# KiCad board temp sensor_panel.kicad_pcb (continued)
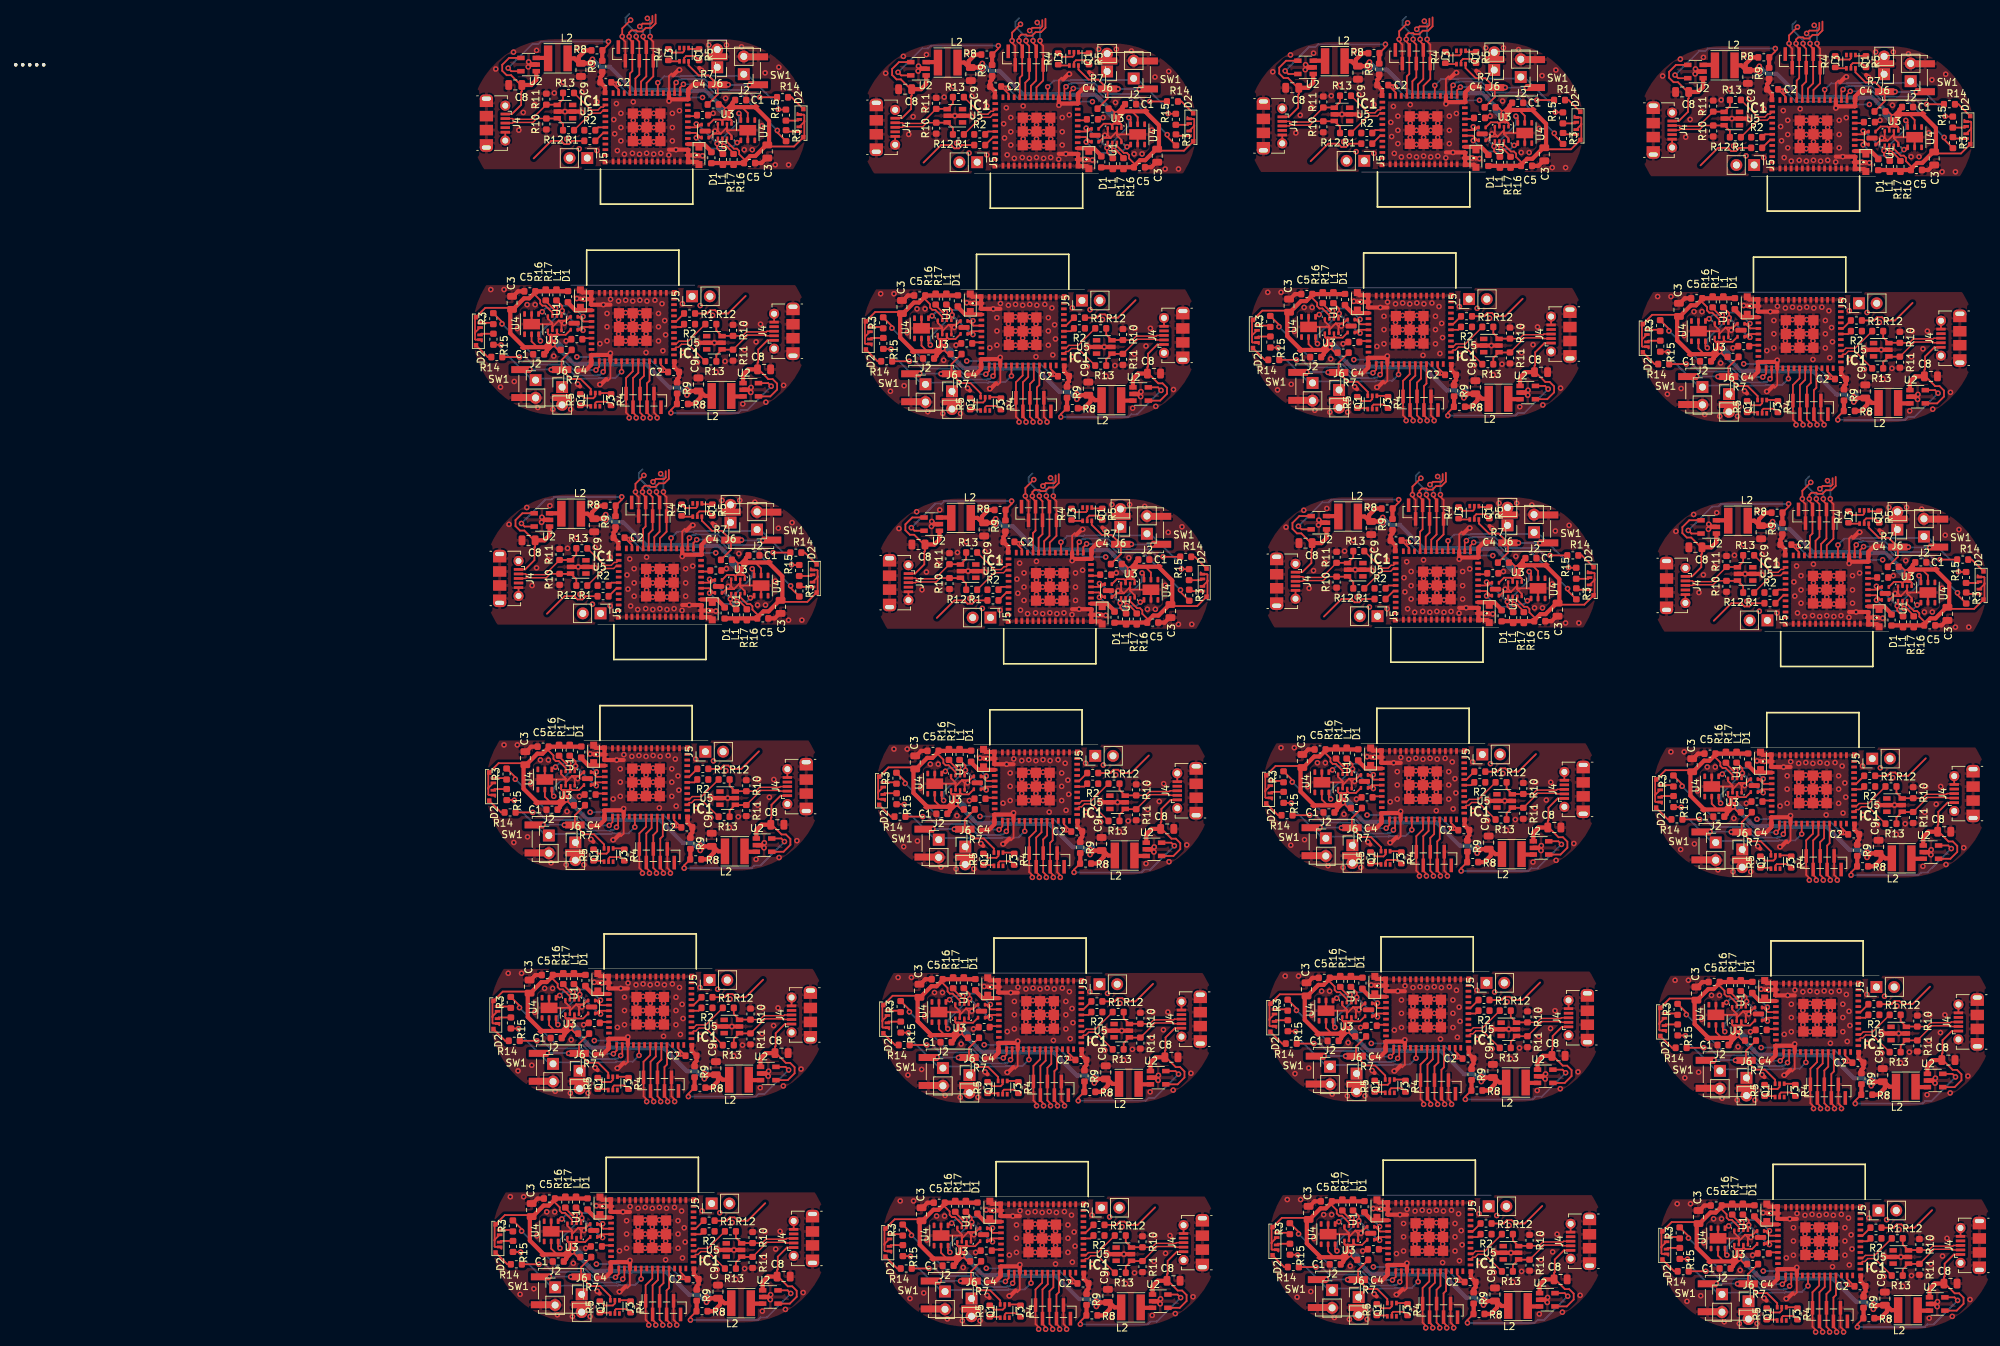
[diagram p0: board, top side]
## Routing (per net, layer and track width the routed paths; a pad name or vN(x,y) marks a point on that pad's centre or on a via; arc(x,y) is an arc through that point) (continued)
  Bottom w0.25: v1(-4.32,122.91) -4.32,124.11 v1(-1.2,127.23) 1.61,124.42 v1(1.78,124.42) ; v1(17.99,153.97) 18.15,153.97 v1(20.96,151.16) 24.08,154.28 v1(24.08,155.48) ; v1(57.58,123.82) 57.41,123.82 v1(54.6,126.63) 51.48,123.51 v1(51.48,122.31) ; v1(79.88,154.88) 79.88,153.68 v1(76.76,150.56) 73.95,153.37 v1(73.79,153.37) ; v1(112.98,124.02) 112.81,124.02 v1(110,126.83) 106.88,123.71 v1(106.88,122.51) ; v1(135.28,155.08) 135.28,153.88 v1(132.16,150.76) 129.35,153.57 v1(129.19,153.57) ; v1(162.68,121.91) 162.68,123.11 v1(165.8,126.23) 168.61,123.42 v1(168.78,123.42) ; v1(184.99,152.97) 185.15,152.97 v1(187.96,150.16) 191.08,153.28 v1(191.08,154.48) ; v1(3.68,59.22) 3.51,59.22 v1(0.7,62.03) -2.42,58.91 v1(-2.42,57.71) ; v1(25.98,90.28) 25.98,89.08 v1(22.86,85.96) 20.05,88.77 v1(19.89,88.77) ; v1(53.38,57.11) 53.38,58.31 v1(56.5,61.43) 59.31,58.62 v1(59.48,58.62) ; v1(75.69,88.17) 75.85,88.17 v1(78.66,85.36) 81.78,88.48 v1(81.78,89.68) ; v1(114.88,58.82) 114.71,58.82 v1(111.9,61.63) 108.78,58.51 v1(108.78,57.31) ; v1(131.09,88.37) 131.25,88.37 v1(134.06,85.56) 137.18,88.68 v1(137.18,89.88) ; v1(170.68,58.22) 170.51,58.22 v1(167.7,61.03) 164.58,57.91 v1(164.58,56.71) ; v1(186.89,87.77) 187.05,87.77 v1(189.86,84.96) 192.98,88.08 v1(192.98,89.28) ; v1(-1.82,25.01) -1.82,26.21 v1(1.3,29.33) 4.11,26.52 v1(4.28,26.52) ; v1(53.98,24.41) 53.98,25.61 v1(57.1,28.73) 59.91,25.92 v1(60.08,25.92) ; v1(115.48,26.12) 115.31,26.12 v1(112.5,28.93) 109.38,25.81 v1(109.38,24.61) ; v1(171.28,25.52) 171.11,25.52 v1(168.3,28.33) 165.18,25.21 v1(165.18,24.01) ; v1(171.58,-6.48) 171.41,-6.48 v1(168.6,-3.67) 165.48,-6.79 v1(165.48,-7.99) ; v1(109.68,-7.39) 109.68,-6.19 v1(112.8,-3.07) 115.61,-5.88 v1(115.78,-5.88) ; v1(-1.52,-6.99) -1.52,-5.79 v1(1.6,-2.67) 4.41,-5.48 v1(4.58,-5.48) ; v1(60.38,-6.08) 60.21,-6.08 v1(57.4,-3.27) 54.28,-6.39 v1(54.28,-7.59)
/IO7_pico: length 135.7
  Top w0.2: IC1.27 15.13,122.5 15.5,122.87 16.84,122.87 R12.2 ; IC1#2.27 4.63,155.89 4.26,155.52 2.93,155.52 R12#2.2 ; IC1#4.27 70.93,121.9 71.3,122.27 72.64,122.27 R12#4.2 ; R12#3.2 58.73,154.92 60.06,154.92 60.43,155.29 IC1#3.27 ; IC1#6.27 126.33,122.1 126.7,122.47 128.04,122.47 R12#6.2 ; R12#5.2 114.13,155.12 115.46,155.12 115.83,155.49 IC1#5.27 ; IC1#8.27 182.13,121.5 182.5,121.87 183.84,121.87 R12#8.2 ; R12#7.2 169.93,154.52 171.26,154.52 171.63,154.89 IC1#7.27 ; IC1#10.27 17.03,57.3 17.4,57.67 18.74,57.67 R12#10.2 ; R12#9.2 4.83,90.32 6.16,90.32 6.53,90.69 IC1#9.27 ; IC1#13.27 72.83,56.7 73.2,57.07 74.54,57.07 R12#13.2 ; R12#12.2 60.63,89.72 61.96,89.72 62.33,90.09 IC1#12.27 ; IC1#15.27 128.23,56.9 128.6,57.27 129.94,57.27 R12#15.2 ; R12#14.2 116.03,89.92 117.36,89.92 117.73,90.29 IC1#14.27 ; IC1#11.27 184.03,56.3 184.4,56.67 185.74,56.67 R12#11.2 ; R12#16.2 171.83,89.32 173.16,89.32 173.53,89.69 IC1#16.27 ; IC1#18.27 17.63,24.6 18,24.97 19.34,24.97 R12#18.2 ; R12#20.2 75.14,24.37 73.8,24.37 73.43,24 IC1#20.27 ; IC1#17.27 128.83,24.2 129.2,24.57 130.54,24.57 R12#17.2 ; IC1#19.27 184.63,23.6 185,23.97 186.34,23.97 R12#19.2 ; R12#22.2 130.84,-7.43 129.5,-7.43 129.13,-7.8 IC1#23.27 ; IC1#21.27 17.93,-7.4 18.3,-7.03 19.64,-7.03 R12#23.2 ; R12#24.2 75.44,-7.63 74.1,-7.63 73.73,-8 IC1#24.27 ; R12#21.2 186.64,-8.03 185.3,-8.03 184.93,-8.4 IC1#22.27
/IO12_pico: length 236
  Top w0.25: 9.38,112.2 8.93,112.65 J3.2 8.93,117.6 9.69,118.35 IC1.19 ; 10.38,166.19 10.83,165.74 10.83,160.8 10.07,160.04 IC1#2.19 ; 65.18,111.6 64.73,112.05 J3#4.2 64.73,117 65.49,117.75 IC1#4.19 ; IC1#3.19 65.87,159.44 66.63,160.2 J3#3.2 66.63,165.14 66.18,165.59 ; v1(65.69,167.34) 66.09,167.74 67.3,167.74 67.51,167.95 67.51,168.84 ; 120.58,111.8 120.13,112.25 J3#6.2 120.13,117.2 120.89,117.95 IC1#6.19 ; IC1#5.19 121.27,159.64 122.03,160.4 J3#5.2 122.03,165.34 121.58,165.79 ; 176.38,111.2 175.93,111.65 J3#8.2 175.93,116.6 176.69,117.35 IC1#8.19 ; IC1#7.19 177.07,159.04 177.83,159.8 177.83,164.74 177.38,165.19 ; v1(176.89,166.94) 177.29,167.34 178.5,167.34 178.71,167.55 178.71,168.44 ; v1(121.09,167.54) 121.49,167.94 122.7,167.94 122.91,168.15 122.91,169.04 ; 11.28,47 10.83,47.45 J3#10.2 10.83,52.4 11.59,53.15 IC1#10.19 ; IC1#9.19 11.97,94.84 12.73,95.6 J3#9.2 12.73,100.54 12.28,100.99 ; 67.08,46.4 66.63,46.85 J3#13.2 66.63,51.8 67.39,52.55 IC1#13.19 ; IC1#12.19 67.77,94.24 68.53,95 J3#12.2 68.53,99.94 68.08,100.39 ; v1(67.59,102.14) 67.99,102.54 69.2,102.54 69.41,102.75 69.41,103.64 ; 122.48,46.6 122.03,47.05 J3#15.2 122.03,52 122.79,52.75 IC1#15.19 ; IC1#14.19 123.17,94.44 123.93,95.2 J3#14.2 123.93,100.14 123.48,100.59 ; 178.28,46 177.83,46.45 J3#11.2 177.83,51.4 178.59,52.15 IC1#11.19 ; IC1#16.19 178.97,93.84 179.73,94.6 J3#16.2 179.73,99.54 179.28,99.99 ; v1(11.79,102.74) 12.19,103.14 13.4,103.14 13.61,103.35 13.61,104.24 ; v1(122.99,102.34) 123.39,102.74 124.6,102.74 124.81,102.95 124.81,103.84 ; v1(178.79,101.74) 179.19,102.14 180.4,102.14 180.61,102.35 180.61,103.24 ; 11.88,14.3 11.43,14.75 J3#18.2 11.43,19.7 12.19,20.45 IC1#18.19 ; IC1#20.19 67.99,19.85 67.23,19.1 J3#20.2 67.23,14.15 67.68,13.7 ; 123.08,13.9 122.63,14.35 J3#17.2 122.63,19.3 123.39,20.05 IC1#17.19 ; 178.88,13.3 178.43,13.75 J3#19.2 178.43,18.7 179.19,19.45 IC1#19.19 ; IC1#23.19 123.69,-11.95 122.93,-12.7 J3#22.2 122.93,-17.65 123.38,-18.1 ; 12.18,-17.7 11.73,-17.25 J3#21.2 11.73,-12.3 12.49,-11.55 IC1#21.19 ; IC1#24.19 68.29,-12.15 67.53,-12.9 J3#23.2 67.53,-17.85 67.98,-18.3 ; IC1#22.19 179.49,-12.55 178.73,-13.3 J3#24.2 178.73,-18.25 179.18,-18.7 ; v1(9.89,167.94) 10.29,168.34 11.5,168.34 11.71,168.55 11.71,169.44
  Bottom w0.25: v1(66.18,165.9) 66.18,166.85 v1(65.69,167.34) ; v1(177.38,165.5) 177.38,166.45 v1(176.89,166.94) ; v1(121.58,166.1) 121.58,167.05 v1(121.09,167.54) ; v1(68.08,100.7) 68.08,101.65 v1(67.59,102.14) ; v1(179.28,100.3) 179.28,101.25 v1(178.79,101.74) ; v1(123.48,100.9) 123.48,101.85 v1(122.99,102.34) ; v1(12.28,101.3) 12.28,102.25 v1(11.79,102.74) ; v1(9.89,167.94) 10.38,167.45 v1(10.38,166.5)
  vias: v1(9.38,111.9) v1(11.28,46.7) v1(11.88,14) v1(12.18,-18) v1(65.18,111.3) v1(67.08,46.1) v1(67.68,13.4) v1(67.98,-18.6) v1(120.58,111.5) v1(122.48,46.3) v1(123.08,13.6) v1(123.38,-18.4) v1(176.38,110.9) v1(178.28,45.7) v1(178.88,13) v1(179.18,-19)
/IO13_pico: length 229.7
  Top w0.25: 10.38,112.2 9.93,112.65 J3.3 9.93,117.35 10.49,117.9 IC1.20 ; 9.38,166.19 9.83,165.74 J3#2.3 9.83,161.05 9.27,160.49 IC1#2.20 ; 66.18,111.6 65.73,112.05 J3#4.3 65.73,116.75 66.29,117.3 IC1#4.20 ; IC1#3.20 65.07,159.89 65.63,160.45 65.63,165.14 65.18,165.59 ; 121.58,111.8 121.13,112.25 J3#6.3 121.13,116.95 121.69,117.5 IC1#6.20 ; IC1#5.20 120.47,160.09 121.03,160.65 121.03,165.34 120.58,165.79 ; 177.38,111.2 176.93,111.65 J3#8.3 176.93,116.35 177.49,116.9 IC1#8.20 ; IC1#7.20 176.27,159.49 176.83,160.05 J3#7.3 176.83,164.74 176.38,165.19 ; 12.28,47 11.83,47.45 J3#10.3 11.83,52.15 12.39,52.7 IC1#10.20 ; IC1#9.20 11.17,95.29 11.73,95.85 J3#9.3 11.73,100.54 11.28,100.99 ; 68.08,46.4 67.63,46.85 J3#13.3 67.63,51.55 68.19,52.1 IC1#13.20 ; IC1#12.20 66.97,94.69 67.53,95.25 J3#12.3 67.53,99.94 67.08,100.39 ; 123.48,46.6 123.03,47.05 J3#15.3 123.03,51.75 123.59,52.3 IC1#15.20 ; IC1#14.20 122.37,94.89 122.93,95.45 J3#14.3 122.93,100.14 122.48,100.59 ; 179.28,46 178.83,46.45 J3#11.3 178.83,51.15 179.39,51.7 IC1#11.20 ; IC1#16.20 178.17,94.29 178.73,94.85 J3#16.3 178.73,99.54 178.28,99.99 ; 12.88,14.3 12.43,14.75 J3#18.3 12.43,19.45 12.99,20 IC1#18.20 ; IC1#20.20 68.79,19.4 68.23,18.85 J3#20.3 68.23,14.15 68.68,13.7 ; 124.08,13.9 123.63,14.35 J3#17.3 123.63,19.05 124.19,19.6 IC1#17.20 ; 179.88,13.3 179.43,13.75 J3#19.3 179.43,18.45 179.99,19 IC1#19.20 ; IC1#23.20 124.49,-12.4 123.93,-12.95 J3#22.3 123.93,-17.65 124.38,-18.1 ; 13.18,-17.7 12.73,-17.25 J3#21.3 12.73,-12.55 13.29,-12 IC1#21.20 ; IC1#24.20 69.09,-12.6 68.53,-13.15 J3#23.3 68.53,-17.85 68.98,-18.3 ; IC1#22.20 180.29,-13 179.73,-13.55 J3#24.3 179.73,-18.25 180.18,-18.7
  Bottom w0.25: v1(65.18,165.9) 65.18,166.38 63.66,167.9 63.66,168.6 64.18,169.12 ; 175.38,168.72 174.86,168.2 174.86,167.5 176.38,165.98 v1(176.38,165.5) ; v1(120.58,166.1) 120.58,166.58 119.06,168.1 119.06,168.8 119.58,169.32 ; 66.08,103.92 65.56,103.4 65.56,102.7 67.08,101.18 v1(67.08,100.7) ; 177.28,103.52 176.76,103 176.76,102.3 178.28,100.78 v1(178.28,100.3) ; 121.48,104.12 120.96,103.6 120.96,102.9 122.48,101.38 v1(122.48,100.9) ; v1(11.28,101.3) 11.28,101.78 9.76,103.3 9.76,104 10.28,104.52 ; 8.38,169.72 7.86,169.2 7.86,168.5 9.38,166.98 v1(9.38,166.5)
  vias: v1(10.38,111.9) v1(12.28,46.7) v1(12.88,14) v1(13.18,-18) v1(66.18,111.3) v1(68.08,46.1) v1(68.68,13.4) v1(68.98,-18.6) v1(121.58,111.5) v1(123.48,46.3) v1(124.08,13.6) v1(124.38,-18.4) v1(177.38,110.9) v1(179.28,45.7) v1(179.88,13) v1(180.18,-19)
/IO14_pico: length 223.2
  Top w0.25: 8.38,112.2 7.93,112.65 J3.1 7.93,117.6 8.89,118.55 IC1.18 ; 11.38,166.19 11.83,165.74 J3#2.1 11.83,160.8 10.87,159.84 IC1#2.18 ; 64.18,111.6 63.73,112.05 J3#4.1 63.73,117 64.69,117.95 IC1#4.18 ; IC1#3.18 66.67,159.24 67.63,160.2 67.63,165.14 67.18,165.59 ; 119.58,111.8 119.13,112.25 J3#6.1 119.13,117.2 120.09,118.15 IC1#6.18 ; IC1#5.18 122.07,159.44 123.03,160.4 123.03,165.34 122.58,165.79 ; 175.38,111.2 174.93,111.65 J3#8.1 174.93,116.6 175.89,117.55 IC1#8.18 ; IC1#7.18 177.87,158.84 178.83,159.8 J3#7.1 178.83,164.74 178.38,165.19 ; 10.28,47 9.83,47.45 J3#10.1 9.83,52.4 10.79,53.35 IC1#10.18 ; IC1#9.18 12.77,94.64 13.73,95.6 J3#9.1 13.73,100.54 13.28,100.99 ; 66.08,46.4 65.63,46.85 J3#13.1 65.63,51.8 66.59,52.75 IC1#13.18 ; IC1#12.18 68.57,94.04 69.53,95 J3#12.1 69.53,99.94 69.08,100.39 ; 121.48,46.6 121.03,47.05 J3#15.1 121.03,52 121.99,52.95 IC1#15.18 ; IC1#14.18 123.97,94.24 124.93,95.2 J3#14.1 124.93,100.14 124.48,100.59 ; 177.28,46 176.83,46.45 J3#11.1 176.83,51.4 177.79,52.35 IC1#11.18 ; IC1#16.18 179.77,93.64 180.73,94.6 J3#16.1 180.73,99.54 180.28,99.99 ; 10.88,14.3 10.43,14.75 J3#18.1 10.43,19.7 11.39,20.65 IC1#18.18 ; IC1#20.18 67.19,20.05 66.23,19.1 J3#20.1 66.23,14.15 66.68,13.7 ; 122.08,13.9 121.63,14.35 J3#17.1 121.63,19.3 122.59,20.25 IC1#17.18 ; 177.88,13.3 177.43,13.75 J3#19.1 177.43,18.7 178.39,19.65 IC1#19.18 ; 178.18,-18.7 177.73,-18.25 J3#24.1 177.73,-13.3 178.69,-12.35 IC1#22.18 ; 122.38,-18.1 121.93,-17.65 J3#22.1 121.93,-12.7 122.89,-11.75 IC1#23.18 ; 11.18,-17.7 10.73,-17.25 J3#21.1 10.73,-12.3 11.69,-11.35 IC1#21.18 ; IC1#24.18 67.49,-11.95 66.53,-12.9 J3#23.1 66.53,-17.85 66.98,-18.3
  Bottom w0.25: v1(66.78,168.5) 67.18,168.1 v1(67.18,165.9) ; v1(122.18,168.7) 122.58,168.3 v1(122.58,166.1) ; v1(177.98,168.1) 178.38,167.7 v1(178.38,165.5) ; v1(12.88,103.9) 13.28,103.5 v1(13.28,101.3) ; v1(68.68,103.3) 69.08,102.9 v1(69.08,100.7) ; v1(124.08,103.5) 124.48,103.1 v1(124.48,100.9) ; v1(179.88,102.9) 180.28,102.5 v1(180.28,100.3) ; v1(10.98,169.1) 11.38,168.7 v1(11.38,166.5)
  vias: v1(8.38,111.9) v1(10.28,46.7) v1(10.88,14) v1(11.18,-18) v1(64.18,111.3) v1(66.08,46.1) v1(66.68,13.4) v1(66.98,-18.6) v1(119.58,111.5) v1(121.48,46.3) v1(122.08,13.6) v1(122.38,-18.4) v1(175.38,110.9) v1(177.28,45.7) v1(177.88,13) v1(178.18,-19)
/IO15_pico: length 245.4
  Top w0.25: 11.38,112.2 10.93,112.65 J3.4 10.93,116.85 11.29,117.2 IC1.21 ; 8.38,166.19 8.83,165.74 8.83,161.55 8.47,161.19 IC1#2.21 ; 67.18,111.6 66.73,112.05 J3#4.4 66.73,116.25 67.09,116.6 IC1#4.21 ; IC1#3.21 64.27,160.59 64.63,160.95 J3#3.4 64.63,165.14 64.18,165.59 ; v1(64.18,165.9) 64.18,166.46 64.49,166.77 65.18,166.77 65.34,166.61 66.04,166.61 66.55,167.12 67.32,167.12 67.96,167.76 67.96,169.03 ; 122.58,111.8 122.13,112.25 J3#6.4 122.13,116.45 122.49,116.8 IC1#6.21 ; IC1#5.21 119.67,160.79 120.03,161.15 J3#5.4 120.03,165.34 119.58,165.79 ; 179.16,168.63 179.16,167.36 178.52,166.72 177.75,166.72 177.24,166.21 176.54,166.21 176.38,166.37 175.69,166.37 175.38,166.06 v1(175.38,165.5) ; 178.38,111.2 177.93,111.65 J3#8.4 177.93,115.85 178.29,116.2 IC1#8.21 ; IC1#7.21 175.47,160.19 175.83,160.55 175.83,164.74 175.38,165.19 ; v1(119.58,166.1) 119.58,166.66 119.89,166.97 120.58,166.97 120.74,166.81 121.44,166.81 121.95,167.32 122.72,167.32 123.36,167.96 123.36,169.23 ; 13.28,47 12.83,47.45 J3#10.4 12.83,51.65 13.19,52 IC1#10.21 ; IC1#9.21 10.37,95.99 10.73,96.35 J3#9.4 10.73,100.54 10.28,100.99 ; 69.86,103.83 69.86,102.56 69.22,101.92 68.45,101.92 67.94,101.41 67.24,101.41 67.08,101.57 66.39,101.57 66.08,101.26 v1(66.08,100.7) ; 69.08,46.4 68.63,46.85 J3#13.4 68.63,51.05 68.99,51.4 IC1#13.21 ; IC1#12.21 66.17,95.39 66.53,95.75 J3#12.4 66.53,99.94 66.08,100.39 ; 124.48,46.6 124.03,47.05 J3#15.4 124.03,51.25 124.39,51.6 IC1#15.21 ; IC1#14.21 121.57,95.59 121.93,95.95 J3#14.4 121.93,100.14 121.48,100.59 ; 181.06,103.43 181.06,102.16 180.42,101.52 179.65,101.52 179.14,101.01 178.44,101.01 178.28,101.17 177.59,101.17 177.28,100.86 v1(177.28,100.3) ; 180.28,46 179.83,46.45 J3#11.4 179.83,50.65 180.19,51 IC1#11.21 ; IC1#16.21 177.37,94.99 177.73,95.35 J3#16.4 177.73,99.54 177.28,99.99 ; v1(121.48,100.9) 121.48,101.46 121.79,101.77 122.48,101.77 122.64,101.61 123.34,101.61 123.85,102.12 124.62,102.12 125.26,102.76 125.26,104.03 ; v1(10.28,101.3) 10.28,101.86 10.59,102.17 11.28,102.17 11.44,102.01 12.14,102.01 12.65,102.52 13.42,102.52 14.06,103.16 14.06,104.43 ; 13.88,14.3 13.43,14.75 J3#18.4 13.43,18.95 13.79,19.3 IC1#18.21 ; 69.68,13.7 69.23,14.15 J3#20.4 69.23,18.35 69.59,18.7 IC1#20.21 ; 125.08,13.9 124.63,14.35 J3#17.4 124.63,18.55 124.99,18.9 IC1#17.21 ; 180.88,13.3 180.43,13.75 J3#19.4 180.43,17.95 180.79,18.3 IC1#19.21 ; 125.38,-18.1 124.93,-17.65 J3#22.4 124.93,-13.45 125.29,-13.1 IC1#23.21 ; 14.18,-17.7 13.73,-17.25 J3#21.4 13.73,-13.05 14.09,-12.7 IC1#21.21 ; 69.98,-18.3 69.53,-17.85 J3#23.4 69.53,-13.65 69.89,-13.3 IC1#24.21 ; 181.18,-18.7 180.73,-18.25 J3#24.4 180.73,-14.05 181.09,-13.7 IC1#22.21 ; v1(8.38,166.5) 8.38,167.06 8.69,167.37 9.38,167.37 9.54,167.21 10.24,167.21 10.75,167.72 11.52,167.72 12.16,168.36 12.16,169.63
  vias: v1(11.38,111.9) v1(13.28,46.7) v1(13.88,14) v1(14.18,-18) v1(67.18,111.3) v1(69.08,46.1) v1(69.68,13.4) v1(69.98,-18.6) v1(122.58,111.5) v1(124.48,46.3) v1(125.08,13.6) v1(125.38,-18.4) v1(178.38,110.9) v1(180.28,45.7) v1(180.88,13) v1(181.18,-19)
/IO20_pico: length 139.2
  Top w0.2: R13.2 16.84,122.42 15.85,122.42 15.43,122 15.09,122 IC1.26 ; R13#2.2 2.93,155.97 3.91,155.97 4.33,156.39 4.67,156.39 IC1#2.26 ; R13#4.2 72.64,121.82 71.65,121.82 71.23,121.4 70.89,121.4 IC1#4.26 ; R13#3.2 58.73,155.37 59.71,155.37 60.13,155.79 60.47,155.79 IC1#3.26 ; R13#6.2 128.04,122.02 127.05,122.02 126.63,121.6 126.29,121.6 IC1#6.26 ; R13#5.2 114.13,155.57 115.11,155.57 115.53,155.99 115.87,155.99 IC1#5.26 ; R13#8.2 183.84,121.42 182.85,121.42 182.43,121 182.09,121 IC1#8.26 ; IC1#7.26 171.67,155.39 171.33,155.39 170.91,154.97 169.93,154.97 R13#7.2 ; R13#10.2 18.74,57.22 17.75,57.22 17.33,56.8 16.99,56.8 IC1#10.26 ; R13#9.2 4.83,90.77 5.81,90.77 6.23,91.19 6.57,91.19 IC1#9.26 ; R13#12.2 74.54,56.62 73.55,56.62 73.13,56.2 72.79,56.2 IC1#13.26 ; IC1#12.26 62.37,90.59 62.03,90.59 61.61,90.17 60.63,90.17 R13#11.2 ; R13#14.2 129.94,56.82 128.95,56.82 128.53,56.4 128.19,56.4 IC1#15.26 ; IC1#14.26 117.77,90.79 117.43,90.79 117.01,90.37 116.03,90.37 R13#13.2 ; R13#16.2 185.74,56.22 184.75,56.22 184.33,55.8 183.99,55.8 IC1#11.26 ; IC1#16.26 173.57,90.19 173.23,90.19 172.81,89.77 171.83,89.77 R13#15.2 ; R13#19.2 19.34,24.52 18.35,24.52 17.93,24.1 17.59,24.1 IC1#18.26 ; R13#20.2 75.14,23.92 74.15,23.92 73.73,23.5 73.39,23.5 IC1#20.26 ; IC1#17.26 128.79,23.7 129.13,23.7 129.55,24.12 130.54,24.12 R13#18.2 ; R13#17.2 186.34,23.52 185.35,23.52 184.93,23.1 184.59,23.1 IC1#19.26 ; R13#21.2 186.64,-8.48 185.65,-8.48 185.23,-8.9 184.89,-8.9 IC1#22.26 ; IC1#23.26 129.09,-8.3 129.43,-8.3 129.85,-7.88 130.84,-7.88 R13#22.2 ; R13#23.2 19.64,-7.48 18.65,-7.48 18.23,-7.9 17.89,-7.9 IC1#21.26 ; R13#24.2 75.44,-8.08 74.45,-8.08 74.03,-8.5 73.69,-8.5 IC1#24.26
/IO26_pico: length 541.8
  Top w0.25: IC1.16 v1(7.29,118.5) ; R15.1 -10,122.37 v1(-9.96,122.33) ; v1(12.47,159.89) IC1#2.16 ; R15#2.1 29.76,156.03 v1(29.72,156.06) ; v1(63.09,117.91) IC1#4.16 ; R15#4.1 45.8,121.77 v1(45.84,121.73) ; v1(85.52,155.46) 85.56,155.43 R15#3.1 ; v1(68.27,159.29) IC1#3.16 ; v1(118.49,118.11) IC1#6.16 ; R15#6.1 101.2,121.97 v1(101.24,121.93) ; v1(140.92,155.66) 140.96,155.63 R15#5.1 ; v1(123.67,159.49) IC1#5.16 ; R15#8.1 157,121.37 v1(157.04,121.33) ; v1(174.29,117.5) IC1#8.16 ; v1(196.72,155.06) 196.76,155.03 R15#7.1 ; IC1#7.16 v1(179.47,158.89) ; v1(9.19,53.31) IC1#10.16 ; R15#10.1 -8.1,57.17 v1(-8.06,57.13) ; v1(31.62,90.86) 31.66,90.83 R15#9.1 ; v1(14.37,94.69) IC1#9.16 ; R15#13.1 47.7,56.57 v1(47.74,56.53) ; v1(64.99,52.7) IC1#13.16 ; v1(87.42,90.26) 87.46,90.23 R15#12.1 ; IC1#12.16 v1(70.17,94.09) ; R15#15.1 103.1,56.77 v1(103.14,56.73) ; v1(120.39,52.91) IC1#15.16 ; v1(142.82,90.46) 142.86,90.43 R15#14.1 ; IC1#14.16 v1(125.57,94.29) ; R15#11.1 158.9,56.17 v1(158.94,56.13) ; IC1#11.16 v1(176.19,52.31) ; v1(198.62,89.86) 198.66,89.83 R15#16.1 ; v1(181.37,93.69) IC1#16.16 ; v1(9.79,20.6) IC1#18.16 ; R15#18.1 -7.5,24.47 v1(-7.46,24.43) ; IC1#20.16 v1(65.59,20) ; v1(48.34,23.83) 48.3,23.87 R15#20.1 ; R15#17.1 103.7,24.07 v1(103.74,24.03) ; IC1#17.16 v1(120.99,20.2) ; R15#19.1 159.5,23.47 v1(159.54,23.43) ; IC1#19.16 v1(176.79,19.6) ; R15#23.1 159.8,-8.53 v1(159.84,-8.57) ; v1(104.04,-7.97) 104,-7.93 R15#21.1 ; IC1#23.16 v1(121.29,-11.8) ; v1(10.09,-11.4) IC1#21.16 ; R15#22.1 -7.2,-7.53 v1(-7.16,-7.57) ; IC1#24.16 v1(65.89,-12) ; v1(48.64,-8.17) 48.6,-8.13 R15#24.1 ; IC1#22.16 v1(177.09,-12.4)
  Bottom w0.25: v1(-9.96,122.33) -9.96,121.76 -5.72,117.52 3.97,117.52 4.05,117.6 6.39,117.6 v1(7.29,118.5) ; v1(12.47,159.89) 13.37,160.79 15.71,160.79 15.8,160.87 25.48,160.87 29.72,156.63 v1(29.72,156.06) ; v1(63.09,117.91) 62.19,117 59.85,117 59.77,116.92 50.08,116.92 45.84,121.16 v1(45.84,121.73) ; v1(85.52,155.46) 85.52,156.03 81.28,160.27 71.6,160.27 71.51,160.19 69.17,160.19 v1(68.27,159.29) ; v1(118.49,118.11) 117.59,117.2 115.25,117.2 115.17,117.12 105.48,117.12 101.24,121.36 v1(101.24,121.93) ; v1(140.92,155.66) 140.92,156.23 136.68,160.47 127,160.47 126.91,160.39 124.57,160.39 v1(123.67,159.49) ; v1(174.29,117.5) 173.39,116.6 171.05,116.6 170.97,116.52 161.28,116.52 157.04,120.76 v1(157.04,121.33) ; v1(179.47,158.89) 180.37,159.79 182.71,159.79 182.8,159.87 192.48,159.87 196.72,155.63 v1(196.72,155.06) ; v1(9.19,53.31) 8.29,52.4 5.95,52.4 5.87,52.32 -3.82,52.32 -8.06,56.56 v1(-8.06,57.13) ; v1(31.62,90.86) 31.62,91.43 27.38,95.67 17.7,95.67 17.61,95.59 15.27,95.59 v1(14.37,94.69) ; v1(64.99,52.7) 64.09,51.8 61.75,51.8 61.67,51.72 51.98,51.72 47.74,55.96 v1(47.74,56.53) ; v1(70.17,94.09) 71.07,94.99 73.41,94.99 73.5,95.07 83.18,95.07 87.42,90.83 v1(87.42,90.26) ; v1(120.39,52.91) 119.49,52 117.15,52 117.07,51.92 107.38,51.92 103.14,56.16 v1(103.14,56.73) ; v1(125.57,94.29) 126.47,95.19 128.81,95.19 128.9,95.27 138.58,95.27 142.82,91.03 v1(142.82,90.46) ; v1(176.19,52.31) 175.29,51.4 172.95,51.4 172.87,51.32 163.18,51.32 158.94,55.56 v1(158.94,56.13) ; v1(198.62,89.86) 198.62,90.43 194.38,94.67 184.7,94.67 184.61,94.59 182.27,94.59 v1(181.37,93.69) ; v1(9.79,20.6) 8.89,19.7 6.55,19.7 6.47,19.62 -3.22,19.62 -7.46,23.86 v1(-7.46,24.43) ; v1(65.59,20) 64.69,19.1 62.35,19.1 62.27,19.02 52.58,19.02 48.34,23.26 v1(48.34,23.83) ; v1(120.99,20.2) 120.09,19.3 117.75,19.3 117.67,19.22 107.98,19.22 103.74,23.46 v1(103.74,24.03) ; v1(176.79,19.6) 175.89,18.7 173.55,18.7 173.47,18.62 163.78,18.62 159.54,22.86 v1(159.54,23.43) ; v1(177.09,-12.4) 176.19,-13.3 173.85,-13.3 173.77,-13.38 164.08,-13.38 159.84,-9.14 v1(159.84,-8.57) ; v1(104.04,-7.97) 104.04,-8.54 108.28,-12.78 117.97,-12.78 118.05,-12.7 120.39,-12.7 v1(121.29,-11.8) ; v1(10.09,-11.4) 9.19,-12.3 6.85,-12.3 6.77,-12.38 -2.92,-12.38 -7.16,-8.14 v1(-7.16,-7.57) ; v1(65.89,-12) 64.99,-12.9 62.65,-12.9 62.57,-12.98 52.88,-12.98 48.64,-8.74 v1(48.64,-8.17)
/IO32_pico: length 472.5
  Top w0.25: v1(-9.82,125.35) -9.82,125.63 R3.1 ; v1(3.62,118.74) 4.09,119.21 IC1.12 ; v1(16.14,159.65) 15.67,159.19 IC1#2.12 ; R3#2.1 29.58,152.76 v1(29.58,153.05) ; v1(59.42,118.14) 59.89,118.61 IC1#4.12 ; R3#4.1 45.98,125.03 v1(45.98,124.75) ; IC1#3.12 71.47,158.59 v1(71.94,159.05) ; v1(85.38,152.45) 85.38,152.16 R3#3.1 ; v1(114.82,118.34) 115.29,118.81 IC1#6.12 ; R3#6.1 101.38,125.23 v1(101.38,124.95) ; IC1#5.12 126.87,158.79 v1(127.34,159.25) ; v1(140.78,152.65) 140.78,152.36 R3#5.1 ; v1(170.62,117.74) 171.09,118.21 IC1#8.12 ; R3#8.1 157.18,124.63 v1(157.18,124.35) ; IC1#7.12 182.67,158.19 v1(183.14,158.65) ; R3#7.1 196.58,151.76 v1(196.58,152.05) ; v1(5.52,53.54) 5.99,54.01 IC1#10.12 ; R3#10.1 -7.92,60.43 v1(-7.92,60.15) ; IC1#9.12 17.57,93.99 v1(18.04,94.45) ; v1(31.48,87.85) 31.48,87.56 R3#9.1 ; v1(61.32,52.94) 61.79,53.41 IC1#13.12 ; R3#13.1 47.88,59.83 v1(47.88,59.55) ; IC1#12.12 73.37,93.39 v1(73.84,93.85) ; R3#12.1 87.28,86.96 v1(87.28,87.25) ; R3#15.1 103.28,60.03 v1(103.28,59.75) ; v1(116.72,53.14) 117.19,53.61 IC1#15.12 ; IC1#14.12 128.77,93.59 v1(129.24,94.05) ; v1(142.68,87.45) 142.68,87.16 R3#14.1 ; R3#11.1 159.08,59.43 v1(159.08,59.15) ; v1(172.52,52.54) 172.99,53.01 IC1#11.12 ; IC1#16.12 184.57,92.99 v1(185.04,93.45) ; R3#16.1 198.48,86.56 v1(198.48,86.85) ; v1(6.12,20.84) 6.59,21.31 IC1#18.12 ; R3#18.1 -7.32,27.73 v1(-7.32,27.45) ; v1(48.48,26.85) 48.48,27.13 R3#20.1 ; IC1#20.12 62.39,20.71 v1(61.92,20.24) ; R3#17.1 103.88,27.33 v1(103.88,27.05) ; v1(117.32,20.44) 117.79,20.91 IC1#17.12 ; R3#19.1 159.68,26.73 v1(159.68,26.45) ; v1(173.12,19.84) 173.59,20.31 IC1#19.12 ; v1(159.98,-5.55) 159.98,-5.27 R3#21.1 ; R3#22.1 104.18,-4.67 v1(104.18,-4.95) ; IC1#23.12 118.09,-11.09 v1(117.62,-11.56) ; R3#23.1 -7.02,-4.27 v1(-7.02,-4.55) ; v1(6.42,-11.16) 6.89,-10.69 IC1#21.12 ; v1(48.78,-5.15) 48.78,-4.87 R3#24.1 ; IC1#24.12 62.69,-11.29 v1(62.22,-11.76) ; IC1#22.12 173.89,-11.69 v1(173.42,-12.16)
  Bottom w0.25: v1(-9.82,125.35) -4.45,119.97 -0.77,119.97 0.46,118.74 v1(3.62,118.74) ; v1(29.58,153.05) 24.21,158.42 20.54,158.42 19.3,159.65 v1(16.14,159.65) ; v1(45.98,124.75) 51.35,119.37 55.03,119.37 56.26,118.14 v1(59.42,118.14) ; v1(71.94,159.05) 75.1,159.05 76.34,157.82 80.01,157.82 v1(85.38,152.45) ; v1(101.38,124.95) 106.75,119.57 110.43,119.57 111.66,118.34 v1(114.82,118.34) ; v1(127.34,159.25) 130.5,159.25 131.74,158.02 135.41,158.02 v1(140.78,152.65) ; v1(170.62,117.74) 167.46,117.74 166.23,118.97 162.55,118.97 v1(157.18,124.35) ; v1(183.14,158.65) 186.3,158.65 187.54,157.42 191.21,157.42 v1(196.58,152.05) ; v1(-7.92,60.15) -2.55,54.77 1.13,54.77 2.36,53.54 v1(5.52,53.54) ; v1(18.04,94.45) 21.2,94.45 22.44,93.22 26.11,93.22 v1(31.48,87.85) ; v1(61.32,52.94) 58.16,52.94 56.93,54.17 53.25,54.17 v1(47.88,59.55) ; v1(73.84,93.85) 77,93.85 78.24,92.62 81.91,92.62 v1(87.28,87.25) ; v1(103.28,59.75) 108.65,54.37 112.33,54.37 113.56,53.14 v1(116.72,53.14) ; v1(142.68,87.45) 137.31,92.82 133.64,92.82 132.4,94.05 v1(129.24,94.05) ; v1(172.52,52.54) 169.36,52.54 168.13,53.77 164.45,53.77 v1(159.08,59.15) ; v1(198.48,86.85) 193.11,92.22 189.44,92.22 188.2,93.45 v1(185.04,93.45) ; v1(6.12,20.84) 2.96,20.84 1.73,22.07 -1.95,22.07 v1(-7.32,27.45) ; v1(48.48,26.85) 53.85,21.47 57.53,21.47 58.76,20.24 v1(61.92,20.24) ; v1(103.88,27.05) 109.25,21.67 112.93,21.67 114.16,20.44 v1(117.32,20.44) ; v1(159.68,26.45) 165.05,21.07 168.73,21.07 169.96,19.84 v1(173.12,19.84) ; v1(173.42,-12.16) 170.26,-12.16 169.03,-10.93 165.35,-10.93 v1(159.98,-5.55) ; v1(117.62,-11.56) 114.46,-11.56 113.23,-10.33 109.55,-10.33 v1(104.18,-4.95) ; v1(6.42,-11.16) 3.26,-11.16 2.03,-9.93 -1.65,-9.93 v1(-7.02,-4.55) ; v1(48.78,-5.15) 54.15,-10.53 57.83,-10.53 59.06,-11.76 v1(62.22,-11.76)
